# Altium PCB PCB.PcbDoc
Units mil, origin at the board's own origin, x right, y up, seen from the top; angles counter-clockwise.
Board outline 5000 x 3500 mil, 2 copper layers (Top Layer, Bottom Layer); 127 components, 77 nets, 349 pads, 28 vias.
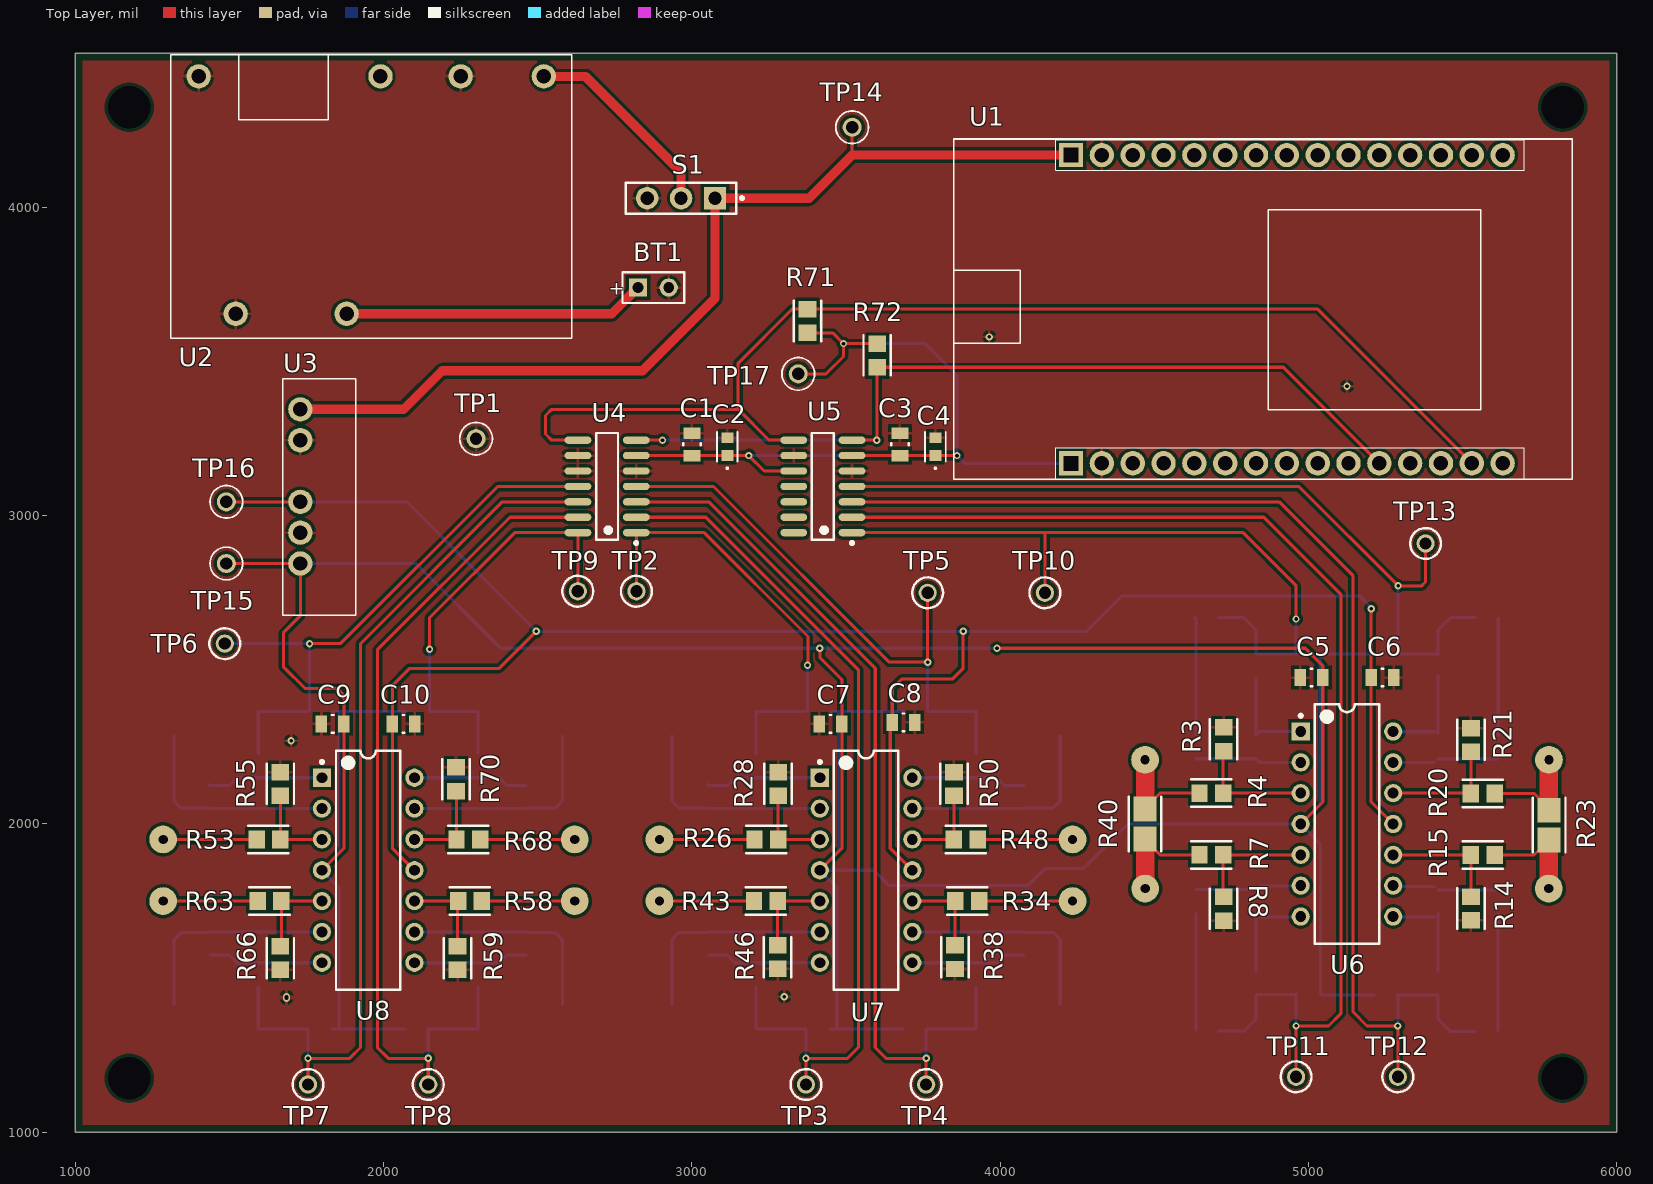
[diagram p0: Top Layer view]
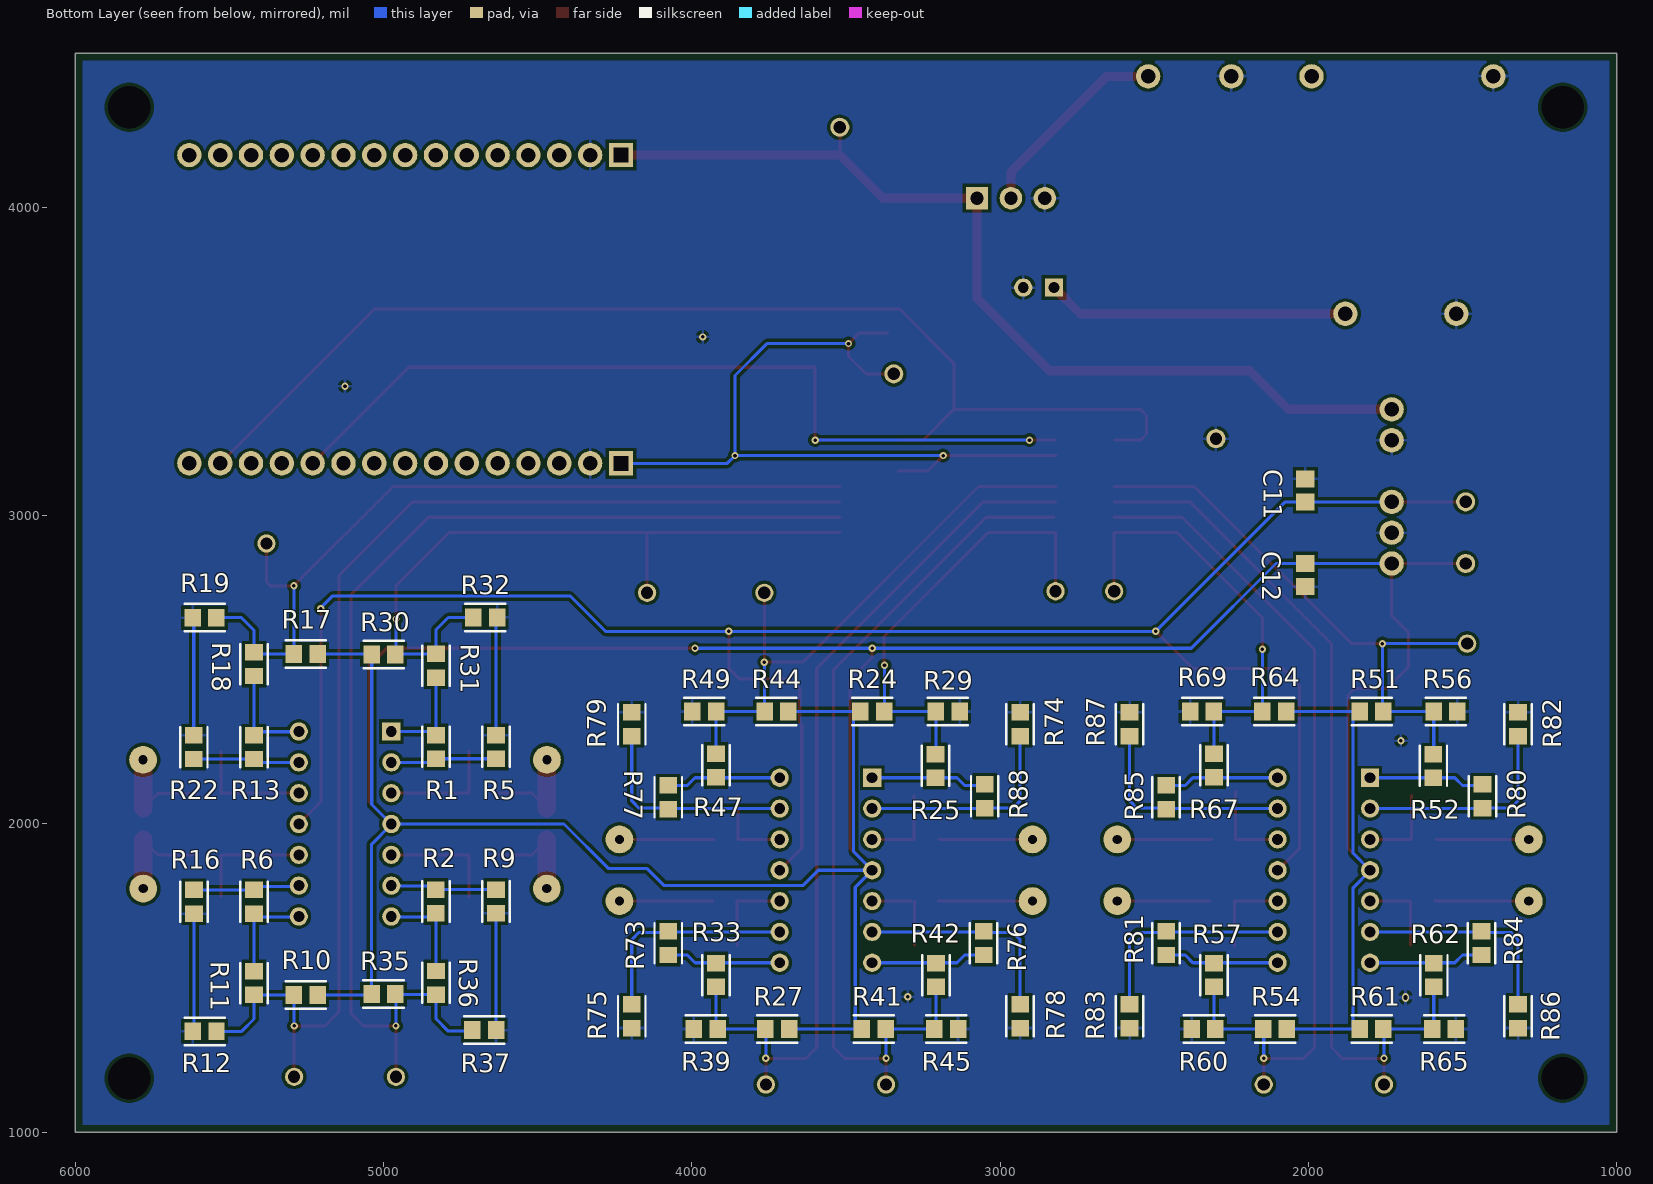
[diagram p1: Bottom Layer view, seen from below]
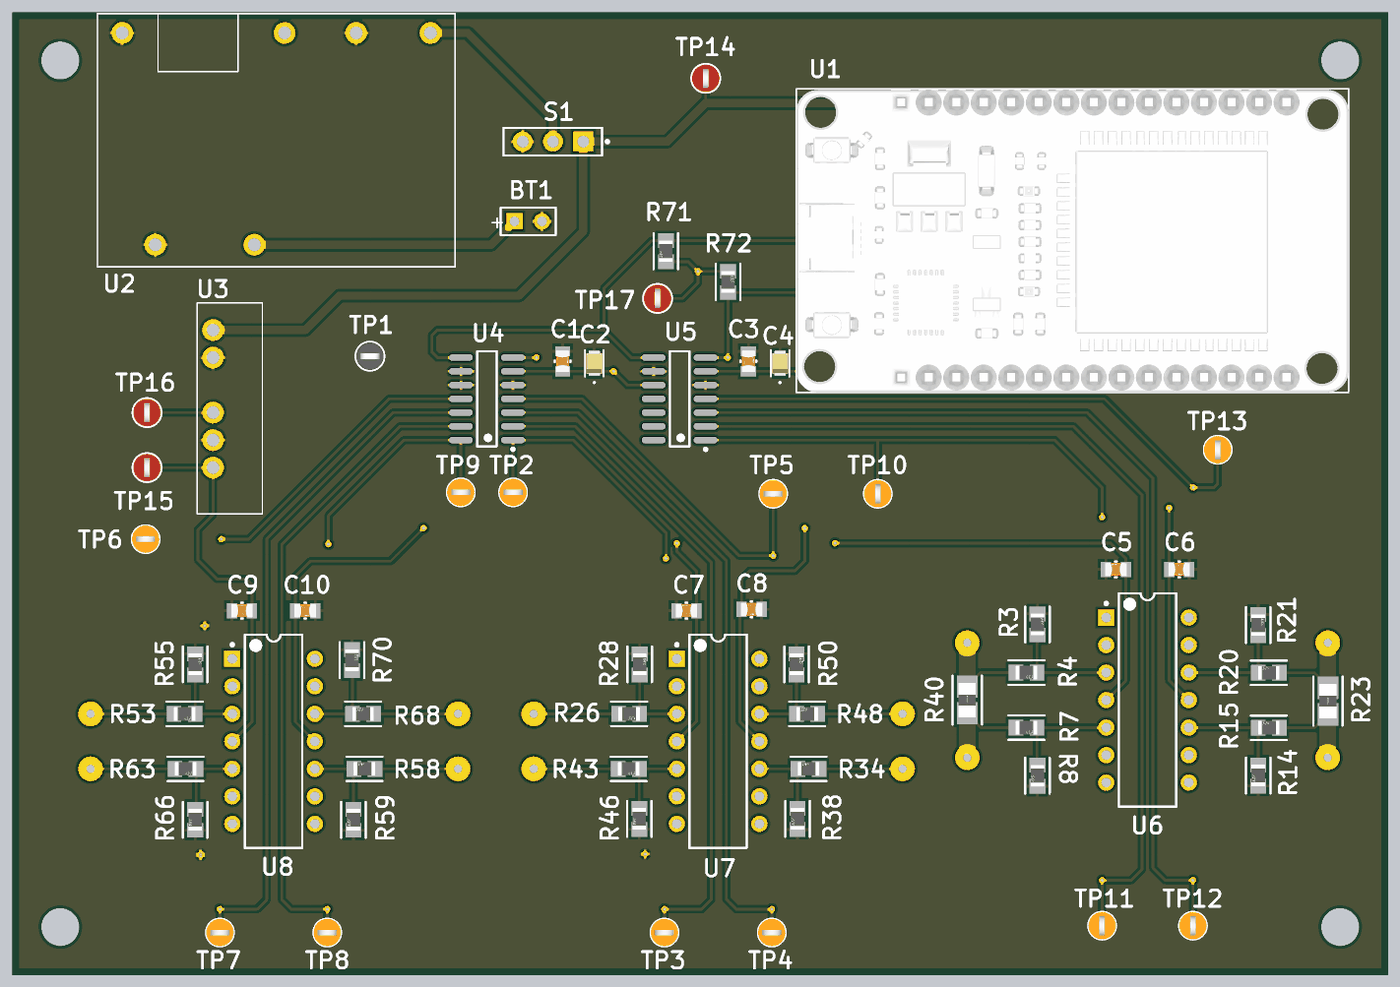
[diagram p2: 3D render of the assembled board from above, using the file's embedded part models]
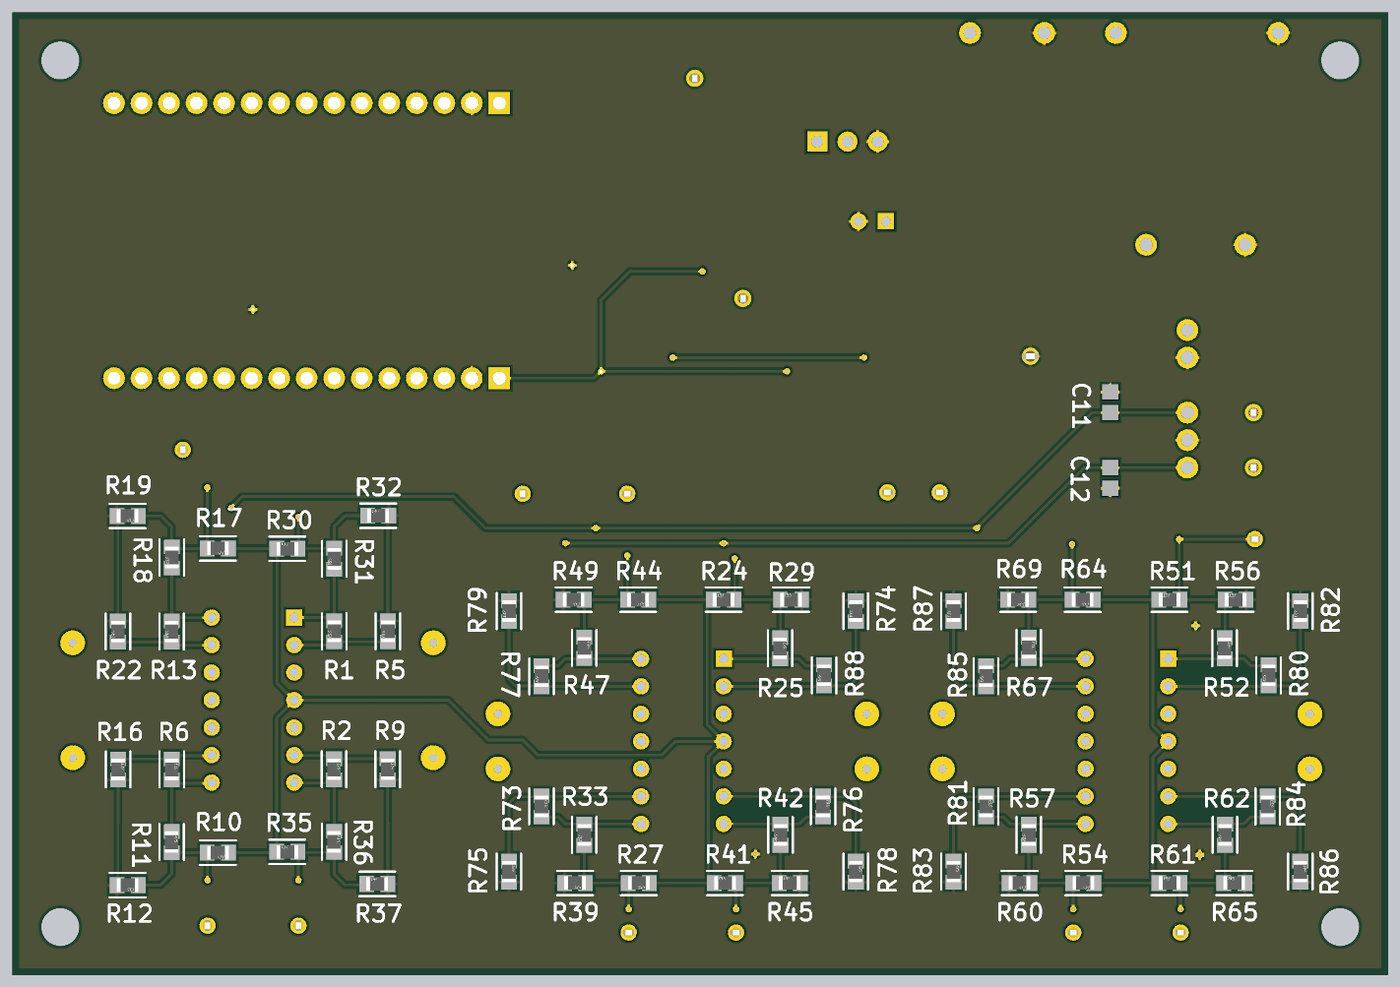
[diagram p3: 3D render of the assembled board from below, using the file's embedded part models]

## Layer stack, top to bottom
Top Solder: solder mask 0.4, Solder Resist, Dk 3.5
Top Layer: signal copper 1.4
Dielectric 1: dielectric 12.6, FR-4, Dk 4.8
Bottom Layer: signal copper 1.4
Bottom Solder: solder mask 0.4, Solder Resist, Dk 3.5

## Board outline
1000,1000 6000,1000 6000,4500 1000,4500

## Design rules (kind name [scope] priority, off if disabled: settings)
Clearance [All] p1: gap=10 ignorepadtopadclearanceinfootprint=FALSE
PolygonConnect [All] p1: connectstyle=Relief reliefconductorwidth=10 reliefentries=4 polygonreliefangle="90 Angle" airgapwidth=10
RoutingVias [All] p1: holewidth=28 width=50 viastyle="Through Hole" minholewidth=28 minwidth=50 maxholewidth=28 maxwidth=50
SolderMaskExpansion [All] p1: expansion=4 istentingtop=FALSE
SupplyNets "Schematic Supply Nets_4" [InNet('+3.3')] p1: voltage=0.000
SupplyNets "Schematic Supply Nets_3" [InNet('GND')] p2: voltage=0.000
SupplyNets "Schematic Supply Nets_2" [InNet('-5V1')] p3: voltage=0.000
SupplyNets "Schematic Supply Nets_1" [InNet('+5V2')] p4: voltage=0.000
SupplyNets "Schematic Supply Nets" [InNet('+5V1')] p5: voltage=0.000
Width [All] p1: maxlimit=10 minlimit=10 preferedwidth=10
30 further rules are at their usual default settings.

## Classes and differential pairs
component class Volt_Measurement: C7 C8 C9 C10 R24 R25 R26 R27 R28 R29 R33 R34 R38 R39 R41 R42 R43 R44 R45 R46 R47 R48 R49 R50 R51 R52 R53 R54 R55 R56 R57 R58 R59 R60 R61 R62 R63 R64 R65 R66 R67 R68 R69 R70 R73 R74 R75 R76 R77 R78 R79 R80 R81 R82 R83 R84 R85 R86 R87 R88 TP2 TP3 TP4 TP5 TP6 TP7 TP8 TP9 U7 U8
component class Data-Power: BT1 C1 C2 C3 C4 C11 C12 R71 R72 S1 TP1 TP14 TP15 TP16 TP17 U1 U2 U3 U4 U5
component class Amp_Measurement: C5 C6 R1 R2 R3 R4 R5 R6 R7 R8 R9 R10 R11 R12 R13 R14 R15 R16 R17 R18 R19 R20 R21 R22 R23 R30 R31 R32 R35 R36 R37 R40 TP10 TP11 TP12 TP13 U6

## Components (designator, comment, footprint, x,y, rotation, side; value= is the part's Value field where it differs from the comment)
BT1 "Battery" BAT-2 2875,3740 r0 top
C1 "100nF" FP-CC0805-0_85-MFG 3000,3231.42 r90 top value="100 nF"
C2 "TCTP1C106M8R" "0805 Tant Cap" 3115,3224.01 r90 top value=10uF
C3 "100nF" FP-CC0805-0_85-MFG 3675,3231.42 r90 top value="100 nF"
C4 "TCTP1C106M8R" "0805 Tant Cap" 3790,3224.01 r90 top value=10uF
C5 "100nF" FP-CC0805-0_85-MFG 5010,2475 r180 top value="100 nF"
C6 "100nF" FP-CC0805-0_85-MFG 5240,2475 r0 top value="100 nF"
C7 "100nF" FP-CC0805-0_85-MFG 3450,2325 r180 top value="100 nF"
C8 "100nF" FP-CC0805-0_85-MFG 3686.42,2330 r0 top value="100 nF"
C9 "100nF" FP-CC0805-0_85-MFG 1835,2325 r180 top value="100 nF"
C10 "100nF" FP-CC0805-0_85-MFG 2065,2325 r0 top value="100 nF"
C11 "2.2uF" CAPC2013X135X50ML10T20 2010,3082.4 r270 bottom
C12 "2.2uF" CAPC2013X135X50ML10T20 2010,2807.6 r90 bottom
R1 "301k Ohm" "0805 Res" 4830,2250 r270 bottom value=301k
R2 "301k Ohm" "0805 Res" 4830.52,1748.53 r90 bottom value=301k
R3 "100k Ohm" "0805 Res" 4725,2275 r90 top value=100k
R4 "680k Ohm" "0805 Res" 4685,2100 r0 top value=680k
R5 "549 Ohm" "0805 Res" 4635,2250 r270 bottom value=549R
R6 "301k Ohm" "0805 Res" 5420.09,1747.77 r90 bottom value=301k
R7 "680k Ohm" "0805 Res" 4685,1900 r0 top value=680k
R8 "100k Ohm" "0805 Res" 4725,1725 r270 top value=100k
R9 "549 Ohm" "0805 Res" 4635.52,1748.54 r90 bottom value=549R
R10 "6.65k Ohm" "0805 Res" 5252.26,1445.62 r180 bottom value=6.65k
R11 "2k Ohm" "0805 Res" 5420.43,1484.03 r90 bottom value=2k
R12 "8.45k Ohm" "0805 Res" 5580.43,1327.45 r180 bottom value=8.45k
R13 "301k Ohm" "0805 Res" 5420.61,2249.23 r270 bottom value=301k
R14 "100k Ohm" "0805 Res" 5527.19,1725.82 r270 top value=100k
R15 "680k Ohm" "0805 Res" 5565.61,1899.23 r180 top value=680k
R16 "549 Ohm" "0805 Res" 5615.09,1747.77 r90 bottom value=549R
R17 "6.65k Ohm" "0805 Res" 5252.44,2551.07 r180 bottom value=6.65k
R18 "2k Ohm" "0805 Res" 5420,2518.42 r270 bottom value=2k
R19 "8.45k Ohm" "0805 Res" 5580.61,2669.23 r180 bottom value=8.45k
R20 "680k Ohm" "0805 Res" 5565.61,2099.23 r180 top value=680k
R21 "100k Ohm" "0805 Res" 5527.19,2272.65 r90 top value=100k
R22 "549 Ohm" "0805 Res" 5615.61,2249.23 r270 bottom value=549R
R23 "0.05 Ohm, 1W" "1206 Res" 5780.61,1996.31 r90 top value=0.05
R24 "5.11k Ohm" "0805 Res" 3415,2365 r0 bottom value=5.11k
R25 "5.49k Ohm" "0805 Res" 3210,2188.42 r90 bottom value=5.49k
R26 "680k Ohm" "0805 Res" 3241.58,1950 r0 top value=680k
R27 "5.11k Ohm" "0805 Res" 3723.17,1335 r180 bottom value=5.11k
R28 "100k Ohm" "0805 Res" 3280,2130 r90 top value=100k
R29 "1.91k Ohm" "0805 Res" 3170,2365 r0 bottom value=1.91k
R30 "6.65k Ohm" "0805 Res" 5000,2550 r0 bottom value=6.65k
R31 "2k Ohm" "0805 Res" 4830,2513.42 r270 bottom value=2k
R32 "8.45k Ohm" "0805 Res" 4670,2670 r0 bottom value=8.45k
R33 "5.49k Ohm" "0805 Res" 3921.58,1510 r270 bottom value=5.49k
R34 "680k Ohm" "0805 Res" 3893.42,1750 r180 top value=680k
R35 "6.65k Ohm" "0805 Res" 5000.18,1448.21 r0 bottom value=6.65k
R36 "2k Ohm" "0805 Res" 4830.18,1484.8 r90 bottom value=2k
R37 "8.45k Ohm" "0805 Res" 4673.6,1331.63 r0 bottom value=8.45k
R38 "100k Ohm" "0805 Res" 3853.42,1568.17 r270 top value=100k
R39 "1.91k Ohm" "0805 Res" 3955,1335 r180 bottom value=1.91k
R40 "0.05 Ohm, 1W" "1206 Res" 4470,2000 r270 top value=0.05
R41 "5.11k Ohm" "0805 Res" 3410,1335 r0 bottom value=5.11k
R42 "5.49k Ohm" "0805 Res" 3208.42,1510 r270 bottom value=5.49k
R43 "680k Ohm" "0805 Res" 3240,1750 r0 top value=680k
R44 "5.11k Ohm" "0805 Res" 3725.79,2365 r180 bottom value=5.11k
R45 "1.91k Ohm" "0805 Res" 3175,1335 r0 bottom value=1.91k
R46 "100k Ohm" "0805 Res" 3278.42,1568.42 r270 top value=100k
R47 "5.49k Ohm" "0805 Res" 3921.58,2190 r90 bottom value=5.49k
R48 "680k Ohm" "0805 Res" 3888.42,1950 r180 top value=680k
R49 "1.91k Ohm" "0805 Res" 3960,2365 r180 bottom value=1.91k
R50 "100k Ohm" "0805 Res" 3850,2130 r90 top value=100k
R51 "5.11k Ohm" "0805 Res" 1795,2365 r0 bottom value=5.11k
R52 "5.49k Ohm" "0805 Res" 1595,2188.42 r90 bottom value=5.49k
R53 "680k Ohm" "0805 Res" 1626.58,1950 r0 top value=680k
R54 "5.11k Ohm" "0805 Res" 2108.17,1335 r180 bottom value=5.11k
R55 "100k Ohm" "0805 Res" 1665,2130 r90 top value=100k
R56 "1.91k Ohm" "0805 Res" 1555,2365 r0 bottom value=1.91k
R57 "5.49k Ohm" "0805 Res" 2306.58,1510 r270 bottom value=5.49k
R58 "680k Ohm" "0805 Res" 2280,1750 r180 top value=680k
R59 "100k Ohm" "0805 Res" 2240,1565 r270 top value=100k
R60 "1.91k Ohm" "0805 Res" 2340,1335 r180 bottom value=1.91k
R61 "5.11k Ohm" "0805 Res" 1795,1335 r0 bottom value=5.11k
R62 "5.49k Ohm" "0805 Res" 1593.42,1510 r270 bottom value=5.49k
R63 "680k Ohm" "0805 Res" 1630,1750 r0 top value=680k
R64 "5.11k Ohm" "0805 Res" 2110.79,2365 r180 bottom value=5.11k
R65 "1.91k Ohm" "0805 Res" 1560,1335 r0 bottom value=1.91k
R66 "100k Ohm" "0805 Res" 1665,1565 r270 top value=100k
R67 "5.49k Ohm" "0805 Res" 2306.58,2190 r90 bottom value=5.49k
R68 "680k Ohm" "0805 Res" 2275,1950 r180 top value=680k
R69 "1.91k Ohm" "0805 Res" 2345,2365 r180 bottom value=1.91k
R70 "100k Ohm" "0805 Res" 2235,2145 r90 top value=100k
R71 "5.1k Ohm" "0805 Res" 3375,3631.58 r270 top value=5.1K
R72 "5.1k Ohm" "0805 Res" 3601.22,3519.92 r90 top value=5.1K
R73 "18.2k Ohm" "0805 Res" 4076.58,1613.42 r90 bottom value=18.2k
R74 "7.15k Ohm" "0805 Res" 2935,2323.42 r270 bottom value=7.15k
R75 "7.15k Ohm" "0805 Res" 4195,1376.58 r90 bottom value=7.15k
R76 "18.2k Ohm" "0805 Res" 3053.42,1613.42 r90 bottom value=18.2k
R77 "18.2k Ohm" "0805 Res" 4076.58,2086.58 r270 bottom value=18.2k
R78 "7.15k Ohm" "0805 Res" 2935,1376.58 r90 bottom value=7.15k
R79 "7.15k Ohm" "0805 Res" 4195,2323.42 r270 bottom value=7.15k
R80 "18.2k Ohm" "0805 Res" 1435,2090 r270 bottom value=18.2k
R81 "18.2k Ohm" "0805 Res" 2461.58,1613.42 r90 bottom value=18.2k
R82 "7.15k Ohm" "0805 Res" 1320,2323.42 r270 bottom value=7.15k
R83 "7.15k Ohm" "0805 Res" 2580,1376.58 r90 bottom value=7.15k
R84 "18.2k Ohm" "0805 Res" 1438.42,1613.42 r90 bottom value=18.2k
R85 "18.2k Ohm" "0805 Res" 2461.58,2086.58 r270 bottom value=18.2k
R86 "7.15k Ohm" "0805 Res" 1320,1376.58 r90 bottom value=7.15k
R87 "7.15k Ohm" "0805 Res" 2580,2323.42 r270 bottom value=7.15k
R88 "18.2k Ohm" "0805 Res" 3050,2090 r270 bottom value=18.2k
S1 "Rocker LED Switch" SW 3075,4030 r180 top
TP1 "TP (Black)" BlackTP 2300,3250 r0 top
TP2 "TP (Orange)" ORANGETP 2820,2755 r0 top
TP3 "TP (Orange)" ORANGETP 3370,1155 r0 top
TP4 "TP (Orange)" ORANGETP 3760,1155 r0 top
TP5 "TP (Orange)" ORANGETP 3765,2750 r0 top
TP6 "TP (Orange)" ORANGETP 1485,2585 r0 top
TP7 "TP (Orange)" ORANGETP 1755,1155 r0 top
TP8 "TP (Orange)" ORANGETP 2145,1155 r0 top
TP9 "TP (Orange)" ORANGETP 2630,2755 r0 top
TP10 "TP (Orange)" ORANGETP 4145,2750 r90 top
TP11 "TP (Orange)" ORANGETP 4960,1180 r90 top
TP12 "TP (Orange)" ORANGETP 5290,1180 r90 top
TP13 "TP (Orange)" ORANGETP 5380,2910 r90 top
TP14 "TP (Red)" RedTP 3520,4260 r90 top
TP15 "TP (Red)" RedTP 1490,2845 r90 top
TP16 "TP (Red)" RedTP 1490,3045 r90 top
TP17 "TP (Red)" RedTP 3345,3460 r90 top
U1 "ESP32" ESP32 3649.87,4662 r270 top
U2 "Battery Charger/Booster" "Batt Chrg/Bst" 1310,3575 r0 top
U3 "DC DC Converter" NMA0505SC 1672.91,3444.21 r270 top
U4 "4Ch ADC" SOIC-SL14_N 2725,3095 r180 top
U5 "4Ch ADC" SOIC-SL14_N 3425,3095 r180 top
U6 "4CH Op-Amp" N0014A 5125,2000 r0 top
U7 "4CH Op-Amp" N0014A 3565,1850 r0 top
U8 "4CH Op-Amp" N0014A 1950,1850 r0 top
